# Allegro board S071AA-0413-20260427.brd (continued)
## Routing (per net, layer and track width the routed paths; a pad name or vN(x,y) marks a point on that pad's centre or on a via; arc(x,y) is an arc through that point) (continued)
N23050554: length 1.5
  TOP w0.305: LD46.1 R46.1
N23057413: length 133.1
  L11_DPS w0.203: v1(163.86,212.67) 170.21,212.67 171.89,214.34 171.89,239.49 169.98,241.4 151.11,241.4 112.36,280.15 112.36,292.73 113.16,293.53 117.26,293.53 v1(118.38,292.42) v1(120.92,292.42)
  BOTTOM w0.152: SH5.2 162.9,212.67 v1(163.86,212.67)
N23057441: length 127.8
  L11_DPS w0.203: v1(113.3,292.42) v1(115.84,292.42) 114.39,290.97 114.39,279.37 151.87,241.88 170.86,241.88 172.64,240.11 172.64,213.5 170.81,211.68 v1(163.86,211.68)
  BOTTOM w0.152: SH6.2 v1(163.86,211.68)
N23058541: length 225.3
  L11_DPS w0.203: v1(143.78,292.42) v1(141.24,292.42) 140.31,293.35 135.28,293.35 134.48,292.55 134.48,292 135.13,291.34 137.89,291.34 141.59,287.64 141.59,272.25 155.57,258.27 197.79,258.27 205.81,250.26 205.81,223.84 206.53,223.11 206.53,200.69 194.08,188.24 159.13,188.24 150.26,197.11 v1(149.14,197.11)
  BOTTOM w0.152: SH7.2 v1(149.14,197.11)
N23058569: length 217.7
  L11_DPS w0.203: v1(148.13,197.11) 157.94,187.3 194.57,187.3 207.5,200.22 207.5,223.52 206.73,224.3 206.73,250.33 198.16,258.9 156.02,258.9 142.74,272.18 142.74,288.38 v1(138.7,292.42) v1(136.16,292.42)
  BOTTOM w0.152: v1(148.13,197.11) 148.13,198.11 SH8.2
N23059275: length 153.6
  L09_DPS w0.203: v1(39.64,292.42) v1(42.18,292.42) 42.81,293.05 63.96,293.05 66.08,290.94 66.08,261.81 79.07,248.81 113.46,248.81 120.13,242.14 120.13,221.59 129.06,212.67 v1(129.59,212.67)
  BOTTOM w0.152: SH9.2 v1(129.59,212.67)
N23059303: length 158.8
  L09_DPS w0.203: v1(129.59,213.51) 120.89,222.22 120.89,242.59 113.68,249.8 79.24,249.8 67.13,261.91 67.13,291.17 64.65,293.66 38.34,293.66 v1(37.1,292.42) v1(34.56,292.42)
  BOTTOM w0.152: SH10.2 v1(129.59,213.51)
N23060072: length 110.1
  L11_DPS w0.203: v1(145.14,234.25) 144.62,233.73 133.75,233.73 108.05,259.42 93.91,259.42 87.19,266.14 87.19,288.71 84.26,291.64 84.26,292.79 84.84,293.37 89.49,293.37 v1(90.44,292.42) v1(92.98,292.42)
  BOTTOM w0.152: SH11.2 v1(145.14,234.25)
N23060100: length 99.5
  L11_DPS w0.203: v1(146.01,234.25) 146.01,234.97 144.58,236.4 132.7,236.4 107.96,261.14 96.78,261.14 88.96,268.95 88.96,291.36 v1(87.9,292.42) v1(85.36,292.42)
  BOTTOM w0.152: SH12.2 v1(146.01,234.25)
N23060930: length 79.5
  L16_DPS w0.203: v1(169.18,292.42) v1(166.64,292.42) 165.85,293.21 160.67,293.21 157.56,290.1 157.56,282.09 146.92,271.45 143.83,271.45 139.86,267.48 v1(139.86,234.41)
  BOTTOM w0.152: SH13.2 v1(139.86,234.41)
N23060958: length 73.2
  L16_DPS w0.203: v1(164.1,292.42) v1(161.56,292.42) 158.61,289.47 158.61,280.96 147.12,269.47 143.2,269.47 140.47,266.74 140.47,249.24 140.94,248.77 v1(140.94,234.41)
  BOTTOM w0.152: SH14.2 v1(140.94,234.41)
N23062789: length 93.5
  L16_DPS w0.203: v1(163.47,218.29) 166.69,218.29 184.21,235.82 184.21,279.52 v1(197.12,292.42) v1(199.66,292.42)
  BOTTOM w0.152: v1(163.47,218.29) 162.49,218.29 SH15.2
N23062817: length 90.4
  L16_DPS w0.203: v1(192.04,292.42) v1(194.58,292.42) 182.78,280.62 182.78,237.21 164.75,219.18 v1(163.47,219.18)
  BOTTOM w0.152: SH16.2 v1(163.47,219.18)

## Copper pours and planes (outline as drawn; the poured copper is in the pictures)
AGND on L13_CBIT (solid shape): outline of 130 points within 248.29,391.56 250.08,411.07
AGND on L13_CBIT (solid shape): outline of 131 points within 95.92,401.67 97.72,411.13
AGND on L13_CBIT (solid shape): outline of 132 points within 243.18,391.51 245.03,411.11
AGND on L13_CBIT (solid shape): outline of 146 points within 95.92,366.11 97.72,370.49
AGND on L13_CBIT (solid shape): outline of 146 points within 95.92,361.03 97.72,365.41
AGND on L13_CBIT (solid shape): outline of 146 points within 95.92,350.87 97.72,355.25
AGND on L13_CBIT (solid shape): outline of 146 points within 95.92,340.71 97.72,345.09
AGND on L13_CBIT (solid shape): outline of 146 points within 98.43,366.12 100.25,373.02
AGND on L13_CBIT (solid shape): outline of 146 points within 98.43,358.5 100.25,362.86
AGND on L13_CBIT (solid shape): outline of 146 points within 98.43,348.34 100.25,352.7
AGND on L13_CBIT (solid shape): outline of 146 points within 98.43,338.18 100.25,342.54
AGND on L13_CBIT (solid shape): outline of 210 points within 95.92,391.51 97.72,400.97
AGND on L13_CBIT (solid shape): outline of 210 points within 95.92,381.35 97.72,390.81
AGND on L13_CBIT (solid shape): outline of 210 points within 95.92,371.19 97.72,380.65
AGND on L13_CBIT (solid shape): outline of 210 points within 98.43,394.06 100.25,403.5
AGND on L13_CBIT (solid shape): outline of 210 points within 98.43,383.9 100.25,393.34
AGND on L13_CBIT (solid shape): outline of 210 points within 98.43,373.74 100.25,383.18
AGND on L13_CBIT (solid shape): outline of 210 points within 248.29,371.24 250.08,390.76
AGND on L13_CBIT (solid shape): outline of 210 points within 248.29,350.92 250.08,370.44
AGND on L13_CBIT (solid shape): outline of 210 points within 248.29,330.6 250.08,350.12
AGND on L13_CBIT (solid shape): outline of 210 points within 261.02,373.71 262.83,393.37
AGND on L13_CBIT (solid shape): outline of 210 points within 261.02,353.39 262.83,373.05
AGND on L13_CBIT (solid shape): outline of 210 points within 261.02,333.07 262.83,352.73
AGND on L13_CBIT (solid shape): outline of 212 points within 243.18,371.19 245.03,390.81
AGND on L13_CBIT (solid shape): outline of 212 points within 243.18,350.87 245.03,370.49
AGND on L13_CBIT (solid shape): outline of 212 points within 243.18,330.55 245.03,350.17
AGND on L13_CBIT (solid shape): outline of 212 points within 245.74,373.72 247.58,393.36
AGND on L13_CBIT (solid shape): outline of 212 points within 245.74,353.4 247.58,373.04
AGND on L13_CBIT (solid shape): outline of 212 points within 245.74,333.08 247.58,352.72
AGND on L13_CBIT (solid shape): outline of 207 points within 250.79,373.71 252.61,393.37
AGND on L13_CBIT (solid shape): outline of 207 points within 250.79,353.39 252.61,373.05
AGND on L13_CBIT (solid shape): outline of 207 points within 250.79,333.07 252.61,352.73
AGND on L13_CBIT (solid shape): outline of 208100 points within 1.27,1.27 291.37,427.99
AGND on TOP, BOTTOM, L02_DGND, L03_DIG, L04_DGND, L05_DIG, L06_DGND, L07_DIG, L08_DGND, L09_DPS, L10_DGND, L11_DPS, L12_DGND, L15_DGND, L16_DPS, L17_DGND, L18_DIG, L19_DGND, L20_DIG, L21_DGND, L22_DIG, L23_DGND, L24_DIG, L25_DGND: 1.27,1.27 1.27,427.99 61.29,427.99 72.66,422.33 84.03,427.99 208.61,427.99 219.98,422.33 231.35,427.99 291.37,427.99 291.37,1.27 157.67,1.27 157.15,1.95 156.3,2.86 155.37,3.69 154.37,4.44 153.32,5.1 152.21,5.66 151.05,6.12 149.86,6.49 148.64,6.74 147.4,6.89 146.16,6.93 144.92,6.86 143.68,6.69 142.47,6.4 141.29,6.02 140.14,5.53 139.04,4.94 138,4.26 137.02,3.49 136.11,2.64 135.28,1.71 134.95,1.27
GND12A_SCG on L08_DGND: 122.68,293.61 129.2,293.61 131,295.41 131,333.2 130.1,334.1 123.98,334.1 122.03,332.14 122.03,294.26
GND12A_SCG on L10_DGND: 122.68,293.61 122.55,293.75 120.52,293.75 119.29,294.97 119.29,308.34 111.77,315.85 111.77,316.97 111.77,316.98 111.77,403.79 112.52,404.54 188.59,404.54 192.67,408.63 192.67,415.82 193.8,416.95 198.74,416.95 199.69,416.01 199.69,372.13 175.94,348.38 127.88,348.38 124.89,345.4 124.89,337.02 125.12,336.79 129.34,336.79 134.07,332.06 134.07,329.59 133.73,329.25 133.73,298.81 131,296.08 131,295.41 129.2,293.61
GND12A_SCG on L10_DGND: 190.43,206.45 193.06,209.09 193.06,242.43 184.05,251.45 157.57,251.45 133.52,275.5 133.52,288.16 128.13,293.56 123.27,293.56 121.08,291.36 121.08,291.22 120.85,290.99 116.44,290.99 115.13,289.69 115.13,279.33 152.14,242.33 171.79,242.33 172.72,241.39 172.85,241.39 173.49,240.76 173.49,213.43 171.04,210.98 150.43,210.98 149.97,210.52 147.98,210.52 147.83,210.37 147.83,208.05 149.43,206.45
GND12A_SCG on L12_DGND: 128.67,293.75 133.73,298.81 133.73,329.25 134.07,329.59 134.07,332.06 129.34,336.79 125.12,336.79 124.89,337.02 124.89,345.4 127.88,348.38 175.94,348.38 199.69,372.13 199.69,416.01 198.74,416.95 193.8,416.95 192.67,415.82 192.67,408.63 188.59,404.54 112.52,404.54 111.77,403.79 111.77,316.98 111.77,316.97 111.77,315.85 119.29,308.34 119.29,294.97 120.52,293.75
GND12A_SCG on L12_DGND: 190.43,206.45 193.06,209.09 193.06,242.43 184.05,251.45 157.57,251.45 133.52,275.5 133.52,288.16 128.13,293.56 123.27,293.56 121.08,291.36 121.08,291.22 120.85,290.99 116.44,290.99 115.13,289.69 115.13,279.33 152.14,242.33 171.79,242.33 172.72,241.39 172.85,241.39 173.49,240.76 173.49,213.43 171.04,210.98 150.43,210.98 149.41,209.96 148.94,209.96 148.88,210.02 148.88,210.43 148.79,210.52 147.98,210.52 147.83,210.37 147.83,208.05 149.43,206.45
GND33A_ADC12 on L02_DGND, L04_DGND, L06_DGND, L08_DGND, L17_DGND, L19_DGND: 143.27,210.59 146.07,210.59 146.27,210.39 146.27,207.02 145.78,206.53 145.78,187.2 152.13,180.84 154.44,180.84 155.32,179.96 155.32,163.89 156.53,162.68 159.56,162.68 191.45,130.78 191.45,98.12 188.5,95.16 162.35,95.16 160.44,97.07 160.44,107.73 145.97,122.2 127.22,122.2 111.63,137.79 111.63,179.81 115.82,183.99 122.17,183.99 142.39,204.21 142.39,208.02 142.65,208.29 143.05,208.29 143.15,208.4 143.15,210.47
GND33A_ADC12 on L08_DGND: 145.55,293.44 151.67,293.44 152.47,294.25 152.47,330.37 138.64,344.21 126.51,344.21 125.84,343.53 125.84,339.82 126.49,339.17 134.43,339.17 138.32,335.28 138.32,300.68
GND33A_ADC12 on L10_DGND: 146.48,213.01 147.75,213.01 148.21,212.56 148.21,211.56 148.13,211.48 147.23,211.48 146.76,211.02 146.76,210.12 146.77,210.12 144.93,208.29 144.93,206.56 147.36,204.13 147.46,204.13 147.46,196.84 158.43,185.86 195.04,185.86 208.63,199.45 208.63,249.62 198.78,259.46 156.98,259.46 143.15,273.29 143.15,290.06 145.73,292.64 213.54,292.64 233.51,272.67 233.51,183.94 220.83,171.27 146.66,171.27 137.22,180.71 137.22,199.46 142.48,204.71 142.48,208 142.65,208.17 142.92,208.17 143.14,208.39 143.13,208.39 143.13,209.77 144.31,210.95 145.59,210.95 146.36,211.72 146.36,212.9
GND33A_ADC12 on L10_DGND: 277.39,10.65 275.77,12.27 275.77,21.4 272.6,24.57 272.6,293 271.49,294.11 152.33,294.11 151.67,293.44 145.55,293.44 138.32,300.68 138.32,335.28 134.43,339.17 126.49,339.17 125.84,339.82 125.84,343.53 126.51,344.21 138.64,344.21 152.47,330.37 152.47,306.47 165.13,319.13 285.28,319.13 289.19,315.22 289.19,10.65
GND33A_ADC12 on L12_DGND: 271.49,294.11 272.6,293 272.6,24.57 275.77,21.4 275.77,12.27 277.39,10.65 289.19,10.65 289.19,315.22 285.28,319.13 165.13,319.13 148.48,302.48 148.48,294.14 150.94,294.14 150.98,294.11
GND33A_ADC12 on L12_DGND: 146.48,213.01 147.75,213.01 148.21,212.56 148.21,211.56 148.13,211.48 147.23,211.48 146.76,211.02 146.76,210.12 146.77,210.12 144.93,208.29 144.93,206.56 147.36,204.13 147.46,204.13 147.46,196.84 158.43,185.86 195.04,185.86 208.63,199.45 208.63,249.62 198.78,259.46 156.98,259.46 143.15,273.29 143.15,290.06 145.73,292.64 213.54,292.64 233.51,272.67 233.51,183.94 220.83,171.27 146.66,171.27 137.22,180.71 137.22,199.46 142.34,204.58 142.34,207.95 142.65,208.26 142.65,209.29 144.31,210.95 145.59,210.95 146.36,211.72 146.36,212.9
GND33A_ADC12 on L23_DGND, L25_DGND: 26.93,384.88 26.93,379.68 28.5,378.11 54.21,378.11 54.26,378.16 56.89,378.16 60.17,374.88 60.17,261.68 66.28,255.57 103.97,255.57 108.36,251.17 108.36,139.58 113.72,134.23 152.71,134.23 155.95,137.46 155.95,166.66 153.22,169.39 120.59,169.39 115.13,174.84 115.13,255.26 115.33,255.46 107.86,262.94 69.27,262.94 65.12,267.08 65.12,379.02 58.66,385.49 27.54,385.49
GND33A_ADC32 on L02_DGND: 137.72,212.17 129.78,212.17 120.93,221.02 120.93,240.99 117.98,243.95 27.82,243.95 22.91,239.04 22.91,204.58 21.9,203.57 21.9,162.68 12.45,153.23 12.45,77.58 15.04,74.99 56.42,74.99 57.72,76.28 57.72,111.28 70.27,123.83 70.27,156.69 98.8,185.22 117.42,185.22 120.46,188.26 120.46,199.01 127.71,206.25 141.62,206.25 142.21,206.84 142.21,207.9 142.59,208.28 142.91,208.28 143.07,208.44 143.07,212.03 142.1,213.01 138.53,213.01 138.53,212.98
GND33A_ADC32 on L04_DGND: 137.72,212.17 129.78,212.17 120.93,221.02 120.93,240.99 117.98,243.95 27.82,243.95 22.91,239.04 22.91,204.58 21.9,203.57 21.9,162.68 12.45,153.23 12.45,77.58 15.04,74.99 56.42,74.99 57.72,76.28 57.72,111.28 70.27,123.83 70.27,156.69 98.8,185.22 117.42,185.22 120.46,188.26 120.46,199.01 127.71,206.25 141.62,206.25 142.21,206.84 142.21,208.05 142.47,208.31 142.93,208.31 143.06,208.45 143.06,210.37 143.04,210.37 142.36,211.04 142.38,211.06 142.38,212.66 142.02,213.03 138.55,213.03 138.55,212.99
GND33A_ADC32 on L06_DGND: 137.55,212.17 129.78,212.17 120.93,221.02 120.93,240.99 117.98,243.95 27.82,243.95 22.91,239.04 22.91,204.58 21.9,203.57 21.9,162.68 12.45,153.23 12.45,77.58 15.04,74.99 56.42,74.99 57.72,76.28 57.72,111.28 70.27,123.83 70.27,156.69 98.8,185.22 117.42,185.22 120.46,188.26 120.46,199.01 127.71,206.25 141.62,206.25 142.21,206.84 142.21,208.23 142.29,208.31 142.91,208.31 143.05,208.45 143.05,210.5 143.01,210.5 142.4,211.11 142.4,212.62 142,213.02 138.32,213.02 137.55,212.25
GND33A_ADC32 on L08_DGND: 15.04,74.99 12.45,77.58 12.45,153.23 21.9,162.68 21.9,203.57 22.91,204.58 22.91,239.04 27.82,243.95 43.73,243.95 43.73,270.18 41.24,272.68 41.24,289.31 44.52,292.59 62.5,292.59 63.87,291.22 63.87,262.3 78.94,247.23 113.39,247.23 113.39,247.17 116.61,243.95 117.98,243.95 120.93,240.99 120.93,221.02 129.78,212.17 137.72,212.17 138.56,213 139.94,213 139.95,212.99 142.31,212.99 142.72,213.4 145.79,213.4 146.21,212.99 146.21,211.86 145.68,211.33 145.68,211.31 145.43,211.06 144.02,211.06 143.73,210.77 143.73,210.5 143.07,209.84 143.07,208.48 142.89,208.3 142.36,208.3 142.36,206.83 141.46,205.93 128.07,205.93 127.69,205.55 127.69,205.54 120.46,198.31 120.46,188.26 117.42,185.22 98.8,185.22 70.27,156.69 70.27,123.83 57.72,111.28 57.72,76.28 56.42,74.99
GND33A_ADC32 on L08_DGND, L10_DGND: 52.9,294.1 54.01,295.21 54.01,315.66 51.6,318.07 33.4,318.07 28.9,322.57 28.9,333.32 28.08,334.14 15.18,334.14 14.29,333.26 14.29,307.29 18.35,303.23 37.62,303.23 43.63,297.23 43.63,294.95 44.48,294.1 44.48,294.1
GND33A_ADC32 on L10_DGND: 142.72,213.4 145.79,213.4 146.21,212.99 146.21,211.86 145.68,211.33 145.68,211.31 145.43,211.06 144.02,211.06 143.73,210.77 143.73,210.5 143.03,209.8 143.03,208.46 142.75,208.18 142.36,208.18 142.36,206.83 141.46,205.93 128.07,205.93 127.69,205.55 127.69,205.54 120.3,198.15 61.05,198.15 43.73,215.47 43.73,270.18 41.24,272.68 41.24,289.31 44.52,292.59 62.5,292.59 63.87,291.22 63.87,262.3 78.94,247.23 113.39,247.23 113.39,247.17 119.67,240.89 119.67,221.34 128.96,212.04 138.16,212.04 138.16,212.58 138.58,213 141.14,213 141.17,212.97 142.29,212.97
GND33A_ADC32 on L15_DGND: 43.47,295.57 43.47,291.37 13.76,261.66 13.76,50.67 21.41,43.02 123.84,43.02 124.04,43.22 243.55,43.22 243.56,43.23 262.94,43.23 265.5,40.67 265.5,12.94 267.8,10.64 271.76,10.64 272.46,11.34 272.46,58.55 265.59,65.42 242.54,65.42 242.41,65.29 232.14,65.29 224.24,73.19 145.94,73.19 92.72,126.4 92.72,153.05 58.04,187.73 58.04,292.43 52.73,297.74 45.64,297.74
GND33A_ADC32 on L17_DGND: 267.8,10.64 265.5,12.94 265.5,40.67 262.94,43.23 243.56,43.23 243.55,43.22 124.04,43.22 123.84,43.02 21.41,43.02 13.76,50.67 13.76,76.26 12.45,77.58 12.45,153.23 13.76,154.55 13.76,261.66 43.47,291.37 43.47,295.57 45.64,297.74 52.73,297.74 58.04,292.43 58.04,243.95 117.98,243.95 120.93,240.99 120.93,221.02 129.78,212.17 137.04,212.17 137.85,212.97 142.14,212.97 142.36,212.76 142.36,211.04 142.29,210.98 142.73,210.54 143.03,210.54 143.03,208.4 142.9,208.27 142.21,208.27 142.21,206.84 141.62,206.25 127.71,206.25 120.46,199.01 120.46,188.26 117.42,185.22 98.8,185.22 79.67,166.1 92.72,153.05 92.72,126.4 145.94,73.19 224.24,73.19 232.14,65.29 242.41,65.29 242.54,65.42 265.59,65.42 272.46,58.55 272.46,11.34 271.76,10.64
GND33A_ADC32 on L19_DGND: 137.51,212.17 129.78,212.17 120.93,221.02 120.93,240.99 117.98,243.95 27.82,243.95 22.91,239.04 22.91,204.58 21.9,203.57 21.9,162.68 12.45,153.23 12.45,77.58 15.04,74.99 56.42,74.99 57.72,76.28 57.72,111.28 70.27,123.83 70.27,156.69 98.8,185.22 117.42,185.22 120.46,188.26 120.46,199.01 127.71,206.25 141.62,206.25 142.21,206.84 142.21,208.28 143,208.28 143.04,208.32 143.04,210.6 143,210.65 142.57,210.65 142.35,210.87 142.35,212.75 142.04,213.05 138.37,213.05 137.51,212.19
GND33A_ADC32 on L21_DGND: 138.13,212.17 129.78,212.17 120.93,221.02 120.93,240.99 117.98,243.95 27.82,243.95 22.91,239.04 22.91,204.58 21.9,203.57 21.9,162.68 12.45,153.23 12.45,77.58 15.04,74.99 56.42,74.99 57.72,76.28 57.72,111.28 70.27,123.83 70.27,156.69 98.8,185.22 117.42,185.22 120.46,188.26 120.46,199.01 127.71,206.25 141.62,206.25 142.21,206.84 142.21,208.23 142.26,208.28 142.9,208.28 143.04,208.42 143.04,210.42 142.9,210.56 142.38,210.56 142.28,210.65 142.28,212.75 142.06,212.97 138.44,212.97 138.35,212.88 138.35,212.38
GND33A_ADC32 on L23_DGND, L25_DGND: 11.79,384.78 21.44,384.78 21.91,384.3 21.91,377.31 15.95,371.34 15.95,257.54 28.23,245.26 103.24,245.26 103.44,245.46 105.26,243.65 105.26,187.63 102.23,184.59 27.98,184.59 22.72,189.85 22.72,246.32 11.76,257.28 11.76,384.74
GNDA_REG on L02_DGND, L04_DGND: 148.01,214.63 148.6,214.63 148.79,214.44 148.79,212.84 149.02,212.6 155.92,212.6 156.57,213.25 159.14,213.25 159.4,213.51 169.21,213.51 175.08,219.38 196.47,219.38 237.67,178.17 237.67,95.79 237.06,95.17 234.82,95.17 233.71,96.28 233.71,176.64 194.61,215.75 178.12,215.75 177.09,214.72 177.09,212.33 175.84,211.08 165,211.08 164.73,210.81 156.85,210.81 155.82,211.84 155.82,211.84 148.46,211.84 147.88,212.42 147.88,214.5
GNDA_REG on L08_DGND: 94.9,293.41 99.41,293.41 102.69,296.69 102.69,332.53 101.3,333.92 90.91,333.92 88.87,331.88 88.87,300.08 94.5,294.45 94.5,293.81
GNDA_REG on L10_DGND: 94.9,293.41 94.67,293.64 94.48,293.64 92.14,295.97 92.14,296.81 88.87,300.08 88.87,331.88 90.91,333.92 92.14,333.92 92.14,410.91 98.61,417.39 188.15,417.39 189.38,416.16 189.38,409.4 188.38,408.39 109.95,408.39 105.57,404.01 105.57,297.88 101.32,293.64 99.63,293.64 99.41,293.41
GNDA_REG on L10_DGND, L12_DGND: 148.04,213.11 154.05,213.11 157.99,217.05 157.99,231.56 120.22,269.32 120.22,270.3 119.32,271.2 116.81,271.2 111.65,276.37 111.65,281.51 100.01,293.15 94.9,293.15 90.67,288.92 90.67,268.85 97.68,261.83 108.87,261.83 133.49,237.22 144.73,237.22 146.78,235.16 146.78,225.18 148.04,223.92
GNDA_REG on L12_DGND: 94.48,293.64 101.32,293.64 105.57,297.88 105.57,404.01 109.95,408.39 188.38,408.39 189.38,409.4 189.38,416.16 188.15,417.39 98.61,417.39 92.14,410.91 92.14,295.97
(no net) on L13_CBIT: 1.27,1.27 1.27,427.99 61.29,427.99 72.66,422.33 84.03,427.99 208.61,427.99 219.98,422.33 231.35,427.99 291.37,427.99 291.37,1.27 157.67,1.27 157.15,1.95 156.3,2.86 155.37,3.69 154.37,4.44 153.32,5.1 152.21,5.66 151.05,6.12 149.86,6.49 148.64,6.74 147.4,6.89 146.16,6.93 144.92,6.86 143.68,6.69 142.47,6.4 141.29,6.02 140.14,5.53 139.04,4.94 138,4.26 137.02,3.49 136.11,2.64 135.28,1.71 134.95,1.27
GPDPS1_1F on L16_DPS: 204.99,295.77 204.99,294.38 205.27,294.1 205.27,294.08 209.32,294.08 209.63,293.77 209.63,293.75 211.89,291.5 211.89,221.2 201.3,210.61 199.68,210.61 199.53,210.76 166.93,210.76 164.48,208.31 163.43,208.31 163.4,208.33 162.55,208.33 157.55,203.34 157.55,185.9 230.1,113.34 230.1,78.87 238.02,70.95 272.05,70.95 276.56,66.44 276.56,13.44 272.2,9.08 248.75,9.08 246.54,11.28 246.54,18.55 244.76,20.33 241.08,20.33 240.39,19.64 240.39,5.81 242.11,4.09 283.5,4.09 285.86,6.44 285.86,87.22 174.41,198.67 174.41,205.48 174.8,205.86 217.64,205.86 222.06,210.29 222.06,295.06 221,296.13 205.35,296.13
GPDPS1_2F on L16_DPS: 5.54,2.57 225.32,2.57 231.44,8.69 231.44,19.41 233.35,21.32 233.35,21.46 234.19,22.3 249.52,22.3 250.65,21.17 250.65,12.56 258.58,12.56 259.63,13.61 259.63,30.59 256.6,33.62 14.16,33.62 9.75,38.03 9.75,181.64 10.03,181.93 10.03,268.75 10.21,268.75 31.97,290.51 32.07,290.51 32.27,290.71 32.27,296.52 37.23,301.48 163.3,301.48 167.73,297.05 167.73,295.3 168.06,294.97 170.34,294.97 171.2,294.11 172.74,294.11 172.99,294.35 172.99,311.07 149.66,334.4 12.66,334.4 1.75,323.49 1.3,323.04 1.3,6.81
GPDPS1_3F on L16_DPS: 43.47,295.57 43.47,291.37 13.76,261.66 13.76,50.67 21.41,43.02 123.84,43.02 124.04,43.22 243.55,43.22 243.56,43.23 262.94,43.23 265.5,40.67 265.5,12.94 267.8,10.64 271.76,10.64 272.46,11.34 272.46,58.55 265.59,65.42 242.54,65.42 242.41,65.29 232.14,65.29 224.24,73.19 145.94,73.19 92.72,126.4 92.72,153.05 58.04,187.73 58.04,292.43 52.73,297.74 45.64,297.74
GPDPS1_4F on L11_DPS: 271.49,294.11 272.6,293 272.6,24.57 275.77,21.4 275.77,12.27 277.39,10.65 289.19,10.65 289.19,315.22 285.28,319.13 165.13,319.13 148.48,302.48 148.48,294.14 150.94,294.14 150.98,294.11
GPDPS2_1F on L11_DPS: 128.67,293.75 133.73,298.81 133.73,329.25 134.07,329.59 134.07,332.06 129.34,336.79 125.12,336.79 124.89,337.02 124.89,345.4 127.88,348.38 175.94,348.38 199.69,372.13 199.69,416.01 198.74,416.95 193.8,416.95 192.67,415.82 192.67,408.63 188.59,404.54 112.52,404.54 111.77,403.79 111.77,316.98 111.77,316.97 111.77,315.85 119.29,308.34 119.29,294.97 120.52,293.75
GPDPS2_2F on L11_DPS: 94.48,293.64 101.32,293.64 105.57,297.88 105.57,404.01 109.95,408.39 188.38,408.39 189.38,409.4 189.38,416.16 188.15,417.39 98.61,417.39 92.14,410.91 92.14,295.97
GPDPS2_3F on L16_DPS: 236.93,294.22 236.93,386.74 216.56,407.12 176.12,407.12 174.09,409.15 174.09,416.86 173.36,417.59 167.73,417.59 166.63,416.5 166.63,390.79 166.65,390.79 167.16,390.28 202.5,390.28 213.41,379.37 213.41,315.18 234.37,294.22
S1_CSDPS1-1F on L16_DPS: 269.25,294.06 281.4,306.21 281.4,410.94 273.41,418.94 216.26,418.94 216.16,418.84 212.93,418.84 204.84,426.93 204.23,426.93 204.16,426.86 203.03,426.86 203.01,426.88 88.77,426.88 81.05,419.16 64.86,419.16 58.8,425.22 5.19,425.22 2.78,422.82 2.78,344.15 7.44,339.48 21.58,339.48 21.64,339.43 21.65,339.44 31.56,339.44 37.23,345.1 37.23,388.7 52.26,403.73 148.27,403.73 150.07,405.53 150.07,406.04 164.8,420.77 174.02,420.77 177.73,417.06 178.23,417.06 178.23,409.39 178.94,408.68 213.85,408.68 214.04,408.49 239.38,408.49 251.8,396.07 251.8,309.4 240.36,297.96 238.36,295.96 238.37,295.95 238.37,294.29 238.6,294.06
S1_CSDPS2-1F on L09_DPS: 122.68,293.61 129.2,293.61 131,295.41 131,333.2 130.1,334.1 123.98,334.1 122.03,332.14 122.03,294.26
S1_CSDPS3-1F on L09_DPS: 145.55,293.44 151.67,293.44 152.47,294.25 152.47,330.37 138.64,344.21 126.51,344.21 125.84,343.53 125.84,339.82 126.49,339.17 134.43,339.17 138.32,335.28 138.32,300.68
S1_CSDPS4-1F on L09_DPS: 52.9,294.1 54.01,295.21 54.01,315.66 51.6,318.07 33.4,318.07 28.9,322.57 28.9,333.32 28.08,334.14 15.18,334.14 14.29,333.26 14.29,307.29 18.35,303.23 37.62,303.23 43.63,297.23 43.63,294.95 44.48,294.1 44.48,294.1
S1_CSDPS5-1F on L09_DPS: 94.9,293.41 99.41,293.41 102.69,296.69 102.69,332.53 101.3,333.92 90.91,333.92 88.87,331.88 88.87,300.08 94.5,294.45 94.5,293.81
S1_CSDPS6-1F on L16_DPS: 180.95,294.05 181.64,294.74 181.64,328.1 140.84,368.9 93.15,368.9 88.54,364.29 88.54,341.9 91.05,339.39 150.69,339.39 174.76,315.32 174.76,294.21 174.92,294.05
S1_CSDPS7-1F on L16_DPS: 176.09,376.61 155.57,397.12 57.16,397.12 44.23,384.19 44.23,344.71 49.74,339.2 56.86,339.2 59.82,342.15 59.82,370.23 67.64,378.05 143.88,378.05 164.18,357.76 183.77,357.76 186.85,354.68 186.85,307.68 186.86,307.66 186.86,307.23 199.14,294.95 200.91,294.95 200.91,294.44 201.3,294.05 203.46,294.05 203.66,294.25 203.66,299.28 204.11,299.73 204.11,372.26 199.6,376.77 191.99,376.77 191.82,376.61
S1_DPS11 on L16_DPS: 148.94,212.31 149.87,213.24 149.87,213.92 150.2,214.25 200.05,214.25 207.28,221.47 207.28,275.49 209.59,277.79 209.59,289.94 206.98,292.54 200.94,292.54 200.13,291.74 198.47,291.74 185.63,278.9 185.63,236.35 167.19,217.92 167.19,217.88 156.2,217.88 155.27,216.95 144.22,216.95 144.22,216.94 144.09,216.81 144.09,212.54 144.34,212.28 144.37,212.31
S1_DPS12 on L16_DPS: 150.93,213.85 156.31,213.85 156.96,213.19 156.96,210.6 151.88,210.6 150.98,209.7 146.73,209.7 145.78,210.65 143.42,210.65 143.16,210.91 143.16,212.09 142.17,213.07 141.82,213.07 141.59,213.3 141.59,218.7 142.03,218.7 142.24,218.91 142.24,222.64 141.59,223.28 141.59,262.83 159.37,280.6 159.37,287.37 163.22,291.23 169.99,291.23 171.17,292.4 171.37,292.4 171.54,292.57 178.21,292.57 179.26,291.51 179.26,255.84 151.72,228.29 151.72,219.02 151,218.31 145.24,218.31 145.24,218.27 143.91,216.94 143.91,212.52 144.3,212.14 149.22,212.14
S1_DPS13 on L09_DPS: 142.72,213.4 145.79,213.4 146.21,212.99 146.21,211.86 145.68,211.33 145.68,211.31 145.43,211.06 144.02,211.06 143.73,210.77 143.73,210.5 142.33,209.09 142.33,209.01 142.36,208.97 142.36,206.83 141.46,205.93 128.07,205.93 127.69,205.55 127.69,205.54 120.3,198.15 61.05,198.15 43.73,215.47 43.73,270.18 41.24,272.68 41.24,289.31 44.52,292.59 62.5,292.59 63.87,291.22 63.87,262.3 78.94,247.23 113.39,247.23 113.39,247.17 119.67,240.89 119.67,221.34 128.96,212.04 139.93,212.04 140.55,211.42 141.62,211.42 141.81,211.62 141.81,212.49
S1_DPS14 on L11_DPS: 146.48,213.01 147.75,213.01 148.21,212.56 148.21,211.56 148.13,211.48 147.23,211.48 146.76,211.02 146.76,210.12 146.77,210.12 144.93,208.29 144.93,206.56 147.36,204.13 147.46,204.13 147.46,196.84 158.43,185.86 195.04,185.86 208.63,199.45 208.63,249.62 198.78,259.46 156.98,259.46 143.15,273.29 143.15,290.06 145.73,292.64 213.54,292.64 233.51,272.67 233.51,183.94 220.83,171.27 146.66,171.27 137.22,180.71 137.22,199.46 142.65,204.89 142.65,209.29 144.31,210.95 145.59,210.95 146.36,211.72 146.36,212.9
S1_DPS21 on L11_DPS: 190.43,206.45 193.06,209.09 193.06,242.43 184.05,251.45 157.57,251.45 133.52,275.5 133.52,288.16 128.13,293.56 123.27,293.56 121.08,291.36 121.08,291.22 120.85,290.99 116.44,290.99 115.13,289.69 115.13,279.33 152.14,242.33 171.79,242.33 172.72,241.39 172.85,241.39 173.49,240.76 173.49,213.43 171.04,210.98 150.43,210.98 149.41,209.96 148.94,209.96 148.88,210.02 148.88,210.43 148.79,210.52 147.98,210.52 147.83,210.37 147.83,208.05 149.43,206.45
S1_DPS22 on L11_DPS: 148.04,213.11 154.05,213.11 157.99,217.05 157.99,231.56 120.22,269.32 120.22,270.3 119.32,271.2 116.81,271.2 111.65,276.37 111.65,281.51 100.01,293.15 94.9,293.15 90.67,288.92 90.67,268.85 97.68,261.83 108.87,261.83 133.49,237.22 144.73,237.22 146.78,235.16 146.78,225.18 148.04,223.92
S1_DPS23 on L16_DPS: 175.16,204.23 175.16,199.62 203.61,171.17 279.57,171.17 289.6,181.19 289.6,285.12 282.1,292.62 235.18,292.62 232.16,289.6 232.16,278.09 233.99,276.26 233.99,207.82 229.28,203.12 184.25,203.12 182.62,201.48 178.52,201.48 178.52,202.52 178.53,202.54 178.56,202.51 179.28,202.51 179.61,202.84 179.61,204.19 179.06,204.73 175.66,204.73
UDBGND on L14_5V: outline of 104 points within 10.98,13.1 279.4,416.78
UT1_UP5V on L14_5V: 1.27,1.27 1.27,427.99 61.29,427.99 72.66,422.33 84.03,427.99 208.61,427.99 219.98,422.33 231.35,427.99 291.37,427.99 291.37,1.27 157.67,1.27 157.15,1.95 156.3,2.86 155.37,3.69 154.37,4.44 153.32,5.1 152.21,5.66 151.05,6.12 149.86,6.49 148.64,6.74 147.4,6.89 146.16,6.93 144.92,6.86 143.68,6.69 142.47,6.4 141.29,6.02 140.14,5.53 139.04,4.94 138,4.26 137.02,3.49 136.11,2.64 135.28,1.71 134.95,1.27

Small or netless copper shapes (teardrops, artwork), in the pictures only: 66 on L13_CBIT

## Text on the board
User.Comments: CR_11_2 | CR_UNNAMED_8 | CR_UNNAMED_1 | CR_11_6 | CR_D_4 | CR_D_34 | CR_11_14 | CR_SS_3 | CR_SS_4 | CR_SS_1 | CR_SS_2 | CR_RTY_6 | CR_RTY_5 | CR_11_1 | CR_11_3 | CR_RTY_4 | CR_RTY_3 | CR_RTY_2 | CR_RTY_1 | CR_WERT_2
